# Altium PCB touch-tara-h-3 (final).PcbDoc (part 1 of 8) (continued)
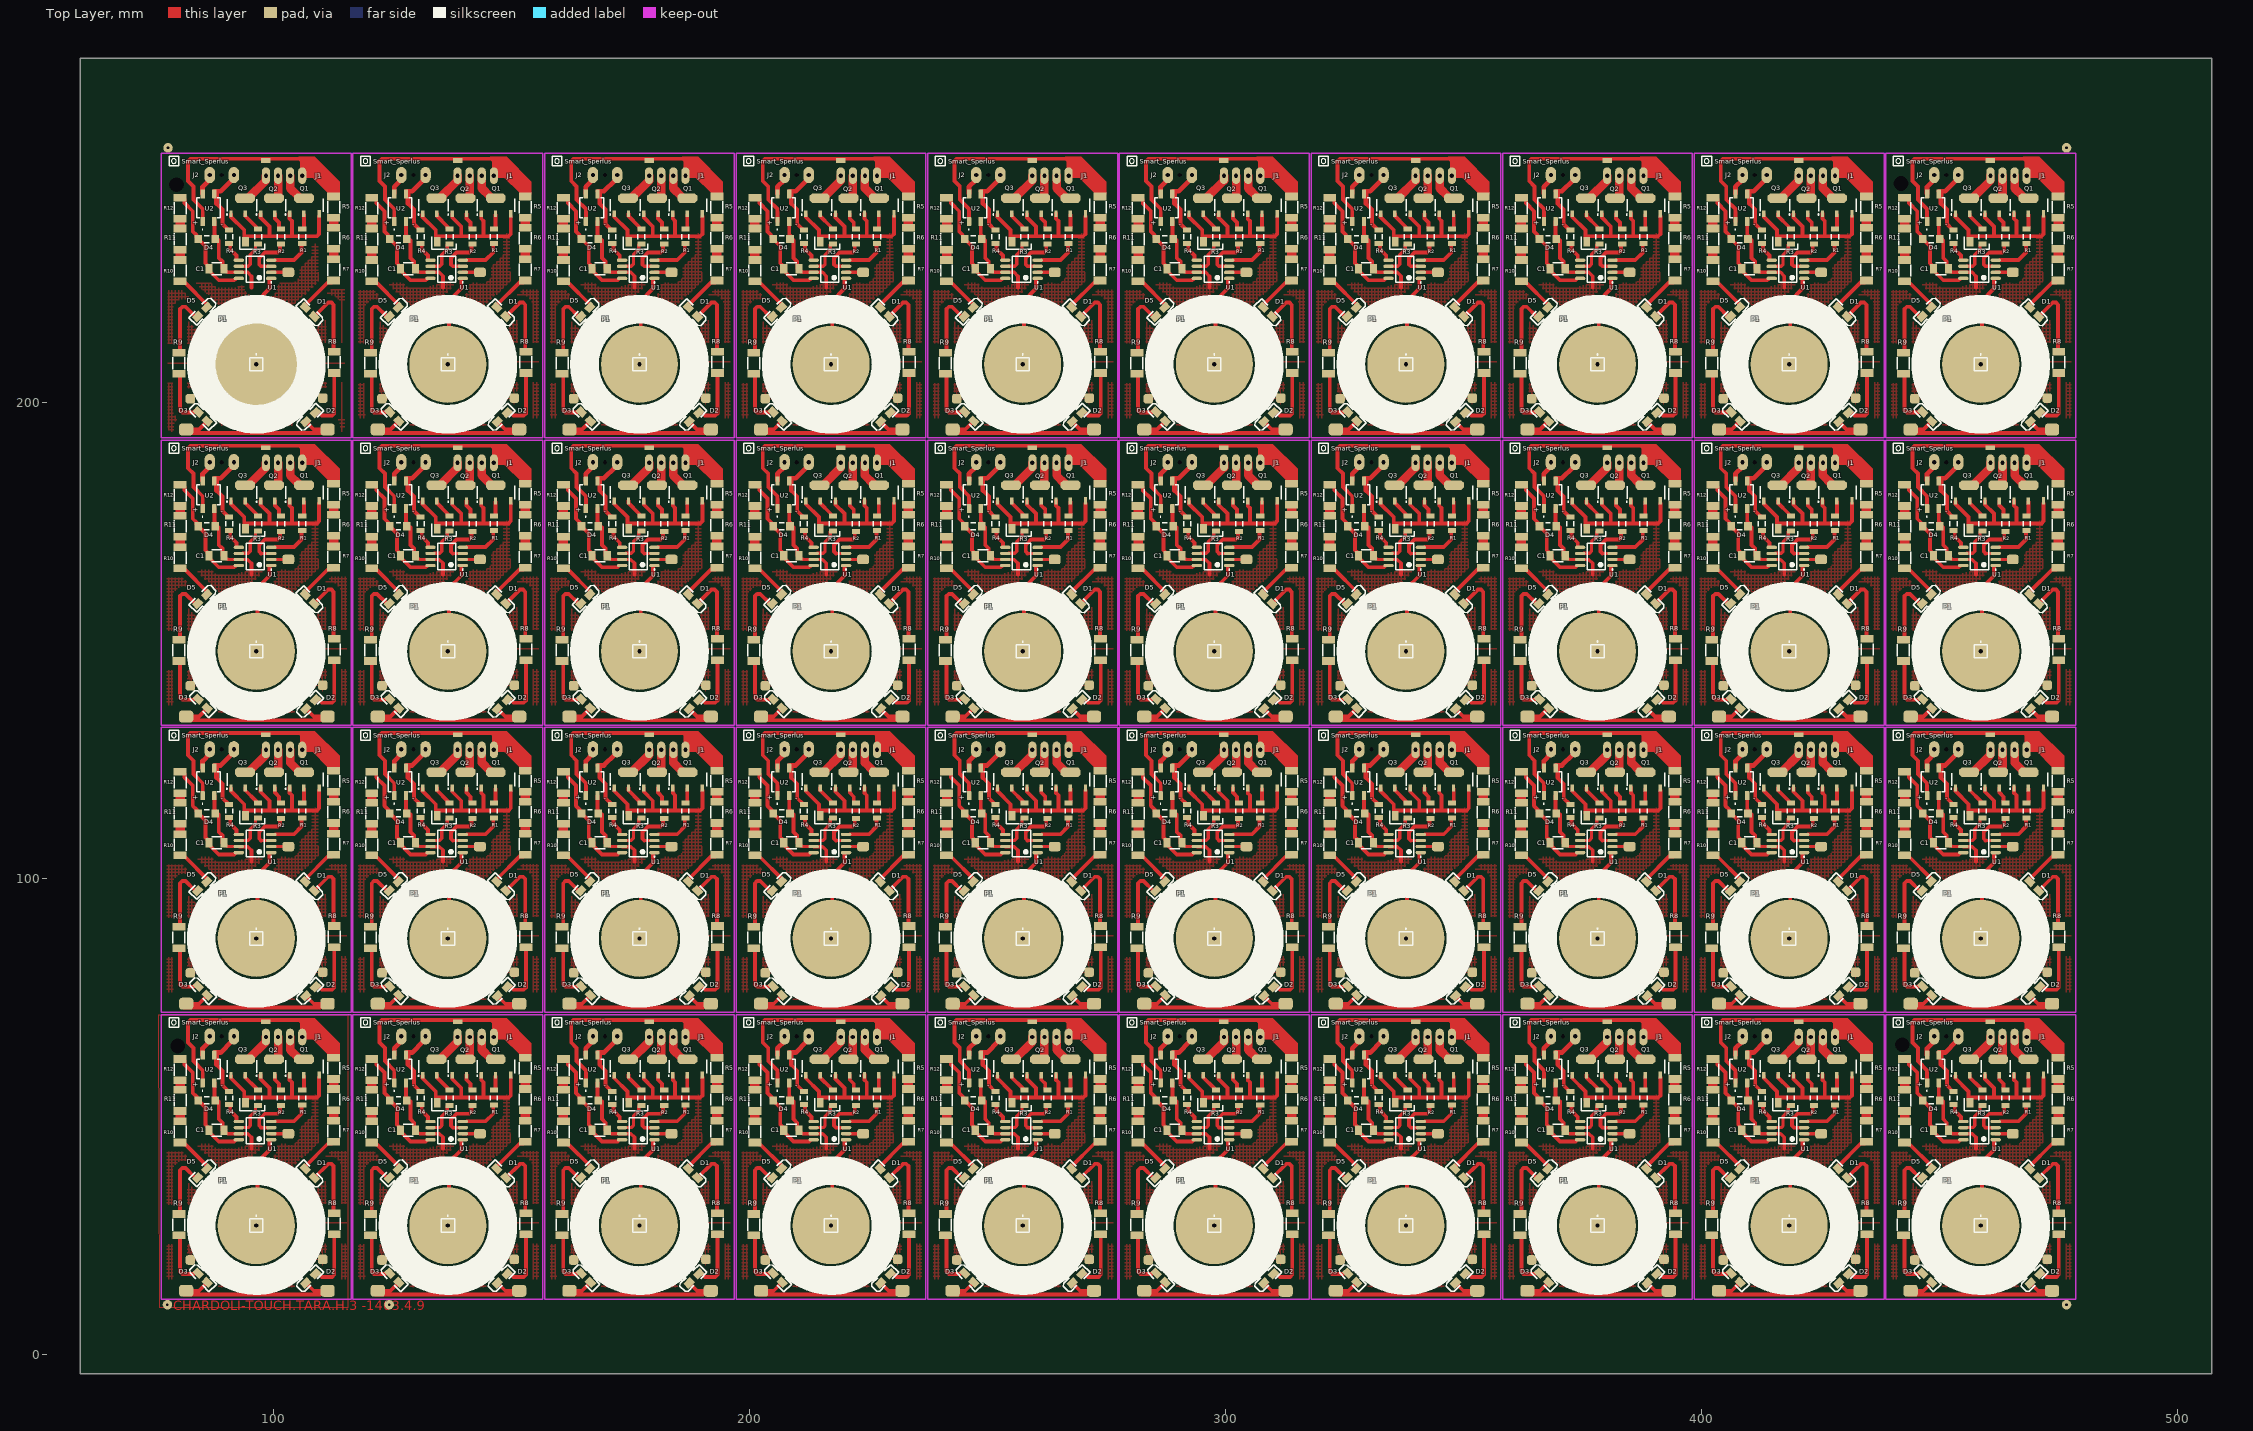
[diagram p0: Top Layer view]
## Components (designator, comment, footprint, x,y, rotation, side; value= is the part's Value field where it differs from the comment) (continued)
P1 "Plug" PIN1#1 378.206,27.051 r0 top
P1 "Plug" PIN1#1 418.465,27.051 r0 top
P1 "Plug" PIN1#1 458.724,27.051 r0 top
P1 "Plug" PIN1#1 96.393,87.376 r0 top
P1 "Plug" PIN1#1 136.652,87.376 r0 top
P1 "Plug" PIN1#1 176.911,87.376 r0 top
P1 "Plug" PIN1#1 217.17,87.376 r0 top
P1 "Plug" PIN1#1 257.429,87.376 r0 top
P1 "Plug" PIN1#1 297.688,87.376 r0 top
P1 "Plug" PIN1#1 337.947,87.376 r0 top
P1 "Plug" PIN1#1 378.206,87.376 r0 top
P1 "Plug" PIN1#1 418.465,87.376 r0 top
P1 "Plug" PIN1#1 458.724,87.376 r0 top
P1 "Plug" PIN1#1 458.724,147.701 r0 top
P1 "Plug" PIN1#1 418.465,147.701 r0 top
P1 "Plug" PIN1#1 378.206,147.701 r0 top
P1 "Plug" PIN1#1 337.947,147.701 r0 top
P1 "Plug" PIN1#1 297.688,147.701 r0 top
P1 "Plug" PIN1#1 257.429,147.701 r0 top
P1 "Plug" PIN1#1 217.17,147.701 r0 top
P1 "Plug" PIN1#1 176.911,147.701 r0 top
P1 "Plug" PIN1#1 136.652,147.701 r0 top
P1 "Plug" PIN1#1 96.393,147.701 r0 top
P1 "Plug" PIN1#1 458.724,208.026 r0 top
P1 "Plug" PIN1#1 418.465,208.026 r0 top
P1 "Plug" PIN1#1 378.206,208.026 r0 top
P1 "Plug" PIN1#1 337.947,208.026 r0 top
P1 "Plug" PIN1#1 297.688,208.026 r0 top
P1 "Plug" PIN1#1 257.429,208.026 r0 top
P1 "Plug" PIN1#1 217.17,208.026 r0 top
P1 "Plug" PIN1#1 176.911,208.026 r0 top
P1 "Plug" PIN1#1 136.652,208.026 r0 top
P1 "Plug" PIN1#2 96.393,208.026 r0 top
Q1 "Triac" SOT89N#1 104.902,60.452 r90 top
Q1 "Triac" SOT89N#1 145.161,60.452 r90 top
Q1 "Triac" SOT89N#1 185.42,60.452 r90 top
Q1 "Triac" SOT89N#1 225.679,60.452 r90 top
Q1 "Triac" SOT89N#1 265.938,60.452 r90 top
Q1 "Triac" SOT89N#1 306.197,60.452 r90 top
Q1 "Triac" SOT89N#1 346.456,60.452 r90 top
Q1 "Triac" SOT89N#1 386.715,60.452 r90 top
Q1 "Triac" SOT89N#1 426.974,60.452 r90 top
Q1 "Triac" SOT89N#1 467.233,60.452 r90 top
Q1 "Triac" SOT89N#1 104.902,120.777 r90 top
Q1 "Triac" SOT89N#1 145.161,120.777 r90 top
Q1 "Triac" SOT89N#1 185.42,120.777 r90 top
Q1 "Triac" SOT89N#1 225.679,120.777 r90 top
Q1 "Triac" SOT89N#1 265.938,120.777 r90 top
Q1 "Triac" SOT89N#1 306.197,120.777 r90 top
Q1 "Triac" SOT89N#1 346.456,120.777 r90 top
Q1 "Triac" SOT89N#1 386.715,120.777 r90 top
Q1 "Triac" SOT89N#1 426.974,120.777 r90 top
Q1 "Triac" SOT89N#1 467.233,120.777 r90 top
Q1 "Triac" SOT89N#1 467.233,181.102 r90 top
Q1 "Triac" SOT89N#1 426.974,181.102 r90 top
Q1 "Triac" SOT89N#1 386.715,181.102 r90 top
Q1 "Triac" SOT89N#1 346.456,181.102 r90 top
Q1 "Triac" SOT89N#1 306.197,181.102 r90 top
Q1 "Triac" SOT89N#1 265.938,181.102 r90 top
Q1 "Triac" SOT89N#1 225.679,181.102 r90 top
Q1 "Triac" SOT89N#1 185.42,181.102 r90 top
Q1 "Triac" SOT89N#1 145.161,181.102 r90 top
Q1 "Triac" SOT89N#1 104.902,181.102 r90 top
Q1 "Triac" SOT89N#1 467.233,241.427 r90 top
Q1 "Triac" SOT89N#1 426.974,241.427 r90 top
Q1 "Triac" SOT89N#1 386.715,241.427 r90 top
Q1 "Triac" SOT89N#1 346.456,241.427 r90 top
Q1 "Triac" SOT89N#1 306.197,241.427 r90 top
Q1 "Triac" SOT89N#1 265.938,241.427 r90 top
Q1 "Triac" SOT89N#1 225.679,241.427 r90 top
Q1 "Triac" SOT89N#1 185.42,241.427 r90 top
Q1 "Triac" SOT89N#1 145.161,241.427 r90 top
Q1 "Triac" SOT89N#1 104.902,241.427 r90 top
Q2 "Triac" SOT89N#2 98.806,60.452 r90 top
Q2 "Triac" SOT89N#2 139.065,60.452 r90 top
Q2 "Triac" SOT89N#2 179.324,60.452 r90 top
Q2 "Triac" SOT89N#2 219.583,60.452 r90 top
Q2 "Triac" SOT89N#2 259.842,60.452 r90 top
Q2 "Triac" SOT89N#2 300.101,60.452 r90 top
Q2 "Triac" SOT89N#2 340.36,60.452 r90 top
Q2 "Triac" SOT89N#2 380.619,60.452 r90 top
Q2 "Triac" SOT89N#2 420.878,60.452 r90 top
Q2 "Triac" SOT89N#2 461.137,60.452 r90 top
Q2 "Triac" SOT89N#2 98.806,120.777 r90 top
Q2 "Triac" SOT89N#2 139.065,120.777 r90 top
Q2 "Triac" SOT89N#2 179.324,120.777 r90 top
Q2 "Triac" SOT89N#2 219.583,120.777 r90 top
Q2 "Triac" SOT89N#2 259.842,120.777 r90 top
Q2 "Triac" SOT89N#2 300.101,120.777 r90 top
Q2 "Triac" SOT89N#2 340.36,120.777 r90 top
Q2 "Triac" SOT89N#2 380.619,120.777 r90 top
Q2 "Triac" SOT89N#2 420.878,120.777 r90 top
Q2 "Triac" SOT89N#2 461.137,120.777 r90 top
Q2 "Triac" SOT89N#2 461.137,181.102 r90 top
Q2 "Triac" SOT89N#2 420.878,181.102 r90 top
Q2 "Triac" SOT89N#2 380.619,181.102 r90 top
Q2 "Triac" SOT89N#2 340.36,181.102 r90 top
Q2 "Triac" SOT89N#2 300.101,181.102 r90 top
Q2 "Triac" SOT89N#2 259.842,181.102 r90 top
Q2 "Triac" SOT89N#2 219.583,181.102 r90 top
Q2 "Triac" SOT89N#2 179.324,181.102 r90 top
Q2 "Triac" SOT89N#2 139.065,181.102 r90 top
Q2 "Triac" SOT89N#2 98.806,181.102 r90 top
Q2 "Triac" SOT89N#2 461.137,241.427 r90 top
Q2 "Triac" SOT89N#2 420.878,241.427 r90 top
Q2 "Triac" SOT89N#2 380.619,241.427 r90 top
Q2 "Triac" SOT89N#2 340.36,241.427 r90 top
Q2 "Triac" SOT89N#2 300.101,241.427 r90 top
Q2 "Triac" SOT89N#2 259.842,241.427 r90 top
Q2 "Triac" SOT89N#2 219.583,241.427 r90 top
Q2 "Triac" SOT89N#2 179.324,241.427 r90 top
Q2 "Triac" SOT89N#2 139.065,241.427 r90 top
Q2 "Triac" SOT89N#2 98.806,241.427 r90 top
Q3 "Triac" SOT89N#3 92.583,60.452 r90 top
Q3 "Triac" SOT89N#3 132.842,60.452 r90 top
Q3 "Triac" SOT89N#3 173.101,60.452 r90 top
Q3 "Triac" SOT89N#3 213.36,60.452 r90 top
Q3 "Triac" SOT89N#3 253.619,60.452 r90 top
Q3 "Triac" SOT89N#3 293.878,60.452 r90 top
Q3 "Triac" SOT89N#3 334.137,60.452 r90 top
Q3 "Triac" SOT89N#3 374.396,60.452 r90 top
Q3 "Triac" SOT89N#3 414.655,60.452 r90 top
Q3 "Triac" SOT89N#3 454.914,60.452 r90 top
Q3 "Triac" SOT89N#3 92.583,120.777 r90 top
Q3 "Triac" SOT89N#3 132.842,120.777 r90 top
Q3 "Triac" SOT89N#3 173.101,120.777 r90 top
Q3 "Triac" SOT89N#3 213.36,120.777 r90 top
Q3 "Triac" SOT89N#3 253.619,120.777 r90 top
Q3 "Triac" SOT89N#3 293.878,120.777 r90 top
Q3 "Triac" SOT89N#3 334.137,120.777 r90 top
Q3 "Triac" SOT89N#3 374.396,120.777 r90 top
Q3 "Triac" SOT89N#3 414.655,120.777 r90 top
Q3 "Triac" SOT89N#3 454.914,120.777 r90 top
Q3 "Triac" SOT89N#3 454.914,181.102 r90 top
Q3 "Triac" SOT89N#3 414.655,181.102 r90 top
Q3 "Triac" SOT89N#3 374.396,181.102 r90 top
Q3 "Triac" SOT89N#3 334.137,181.102 r90 top
Q3 "Triac" SOT89N#3 293.878,181.102 r90 top
Q3 "Triac" SOT89N#3 253.619,181.102 r90 top
Q3 "Triac" SOT89N#3 213.36,181.102 r90 top
Q3 "Triac" SOT89N#3 173.101,181.102 r90 top
Q3 "Triac" SOT89N#3 132.842,181.102 r90 top
Q3 "Triac" SOT89N#3 92.583,181.102 r90 top
Q3 "Triac" SOT89N#3 454.914,241.427 r90 top
Q3 "Triac" SOT89N#3 414.655,241.427 r90 top
Q3 "Triac" SOT89N#3 374.396,241.427 r90 top
Q3 "Triac" SOT89N#3 334.137,241.427 r90 top
Q3 "Triac" SOT89N#3 293.878,241.427 r90 top
Q3 "Triac" SOT89N#3 253.619,241.427 r90 top
Q3 "Triac" SOT89N#3 213.36,241.427 r90 top
Q3 "Triac" SOT89N#3 173.101,241.427 r90 top
Q3 "Triac" SOT89N#3 132.842,241.427 r90 top
Q3 "Triac" SOT89N#3 92.583,241.427 r90 top
R1 "10K" "RES 1206 (3216X08L)"#1 106.045,53.848 r90 top (schematic designator R2)
R1 "10K" "RES 1206 (3216X08L)"#1 146.304,53.848 r90 top (schematic designator R2)
R1 "10K" "RES 1206 (3216X08L)"#1 186.563,53.848 r90 top (schematic designator R2)
R1 "10K" "RES 1206 (3216X08L)"#1 226.822,53.848 r90 top (schematic designator R2)
R1 "10K" "RES 1206 (3216X08L)"#1 267.081,53.848 r90 top (schematic designator R2)
R1 "10K" "RES 1206 (3216X08L)"#1 307.34,53.848 r90 top (schematic designator R2)
R1 "10K" "RES 1206 (3216X08L)"#1 347.599,53.848 r90 top (schematic designator R2)
R1 "10K" "RES 1206 (3216X08L)"#1 387.858,53.848 r90 top (schematic designator R2)
R1 "10K" "RES 1206 (3216X08L)"#1 428.117,53.848 r90 top (schematic designator R2)
R1 "10K" "RES 1206 (3216X08L)"#1 468.376,53.848 r90 top (schematic designator R2)
R1 "10K" "RES 1206 (3216X08L)"#1 106.045,114.173 r90 top (schematic designator R2)
R1 "10K" "RES 1206 (3216X08L)"#1 146.304,114.173 r90 top (schematic designator R2)
R1 "10K" "RES 1206 (3216X08L)"#1 186.563,114.173 r90 top (schematic designator R2)
R1 "10K" "RES 1206 (3216X08L)"#1 226.822,114.173 r90 top (schematic designator R2)
R1 "10K" "RES 1206 (3216X08L)"#1 267.081,114.173 r90 top (schematic designator R2)
R1 "10K" "RES 1206 (3216X08L)"#1 307.34,114.173 r90 top (schematic designator R2)
R1 "10K" "RES 1206 (3216X08L)"#1 347.599,114.173 r90 top (schematic designator R2)
R1 "10K" "RES 1206 (3216X08L)"#1 387.858,114.173 r90 top (schematic designator R2)
R1 "10K" "RES 1206 (3216X08L)"#1 428.117,114.173 r90 top (schematic designator R2)
R1 "10K" "RES 1206 (3216X08L)"#1 468.376,114.173 r90 top (schematic designator R2)
R1 "10K" "RES 1206 (3216X08L)"#1 468.376,174.498 r90 top (schematic designator R2)
R1 "10K" "RES 1206 (3216X08L)"#1 428.117,174.498 r90 top (schematic designator R2)
R1 "10K" "RES 1206 (3216X08L)"#1 387.858,174.498 r90 top (schematic designator R2)
R1 "10K" "RES 1206 (3216X08L)"#1 347.599,174.498 r90 top (schematic designator R2)
R1 "10K" "RES 1206 (3216X08L)"#1 307.34,174.498 r90 top (schematic designator R2)
R1 "10K" "RES 1206 (3216X08L)"#1 267.081,174.498 r90 top (schematic designator R2)
R1 "10K" "RES 1206 (3216X08L)"#1 226.822,174.498 r90 top (schematic designator R2)
R1 "10K" "RES 1206 (3216X08L)"#1 186.563,174.498 r90 top (schematic designator R2)
R1 "10K" "RES 1206 (3216X08L)"#1 146.304,174.498 r90 top (schematic designator R2)
R1 "10K" "RES 1206 (3216X08L)"#1 106.045,174.498 r90 top (schematic designator R2)
R1 "10K" "RES 1206 (3216X08L)"#1 468.376,234.823 r90 top (schematic designator R2)
R1 "10K" "RES 1206 (3216X08L)"#1 428.117,234.823 r90 top (schematic designator R2)
R1 "10K" "RES 1206 (3216X08L)"#1 387.858,234.823 r90 top (schematic designator R2)
R1 "10K" "RES 1206 (3216X08L)"#1 347.599,234.823 r90 top (schematic designator R2)
R1 "10K" "RES 1206 (3216X08L)"#1 307.34,234.823 r90 top (schematic designator R2)
R1 "10K" "RES 1206 (3216X08L)"#1 267.081,234.823 r90 top (schematic designator R2)
R1 "10K" "RES 1206 (3216X08L)"#1 226.822,234.823 r90 top (schematic designator R2)
R1 "10K" "RES 1206 (3216X08L)"#1 186.563,234.823 r90 top (schematic designator R2)
R1 "10K" "RES 1206 (3216X08L)"#1 146.304,234.823 r90 top (schematic designator R2)
R1 "10K" "RES 1206 (3216X08L)"#1 106.045,234.823 r90 top (schematic designator R2)
R2 "10K" "RES 1206 (3216X08L)"#2 101.6,53.848 r90 top (schematic designator R3)
R2 "10K" "RES 1206 (3216X08L)"#2 141.859,53.848 r90 top (schematic designator R3)
R2 "10K" "RES 1206 (3216X08L)"#2 182.118,53.848 r90 top (schematic designator R3)
R2 "10K" "RES 1206 (3216X08L)"#2 222.377,53.848 r90 top (schematic designator R3)
R2 "10K" "RES 1206 (3216X08L)"#2 262.636,53.848 r90 top (schematic designator R3)
R2 "10K" "RES 1206 (3216X08L)"#2 302.895,53.848 r90 top (schematic designator R3)
R2 "10K" "RES 1206 (3216X08L)"#2 343.154,53.848 r90 top (schematic designator R3)
R2 "10K" "RES 1206 (3216X08L)"#2 383.413,53.848 r90 top (schematic designator R3)
R2 "10K" "RES 1206 (3216X08L)"#2 423.672,53.848 r90 top (schematic designator R3)
R2 "10K" "RES 1206 (3216X08L)"#2 463.931,53.848 r90 top (schematic designator R3)
R2 "10K" "RES 1206 (3216X08L)"#2 101.6,114.173 r90 top (schematic designator R3)
R2 "10K" "RES 1206 (3216X08L)"#2 141.859,114.173 r90 top (schematic designator R3)
R2 "10K" "RES 1206 (3216X08L)"#2 182.118,114.173 r90 top (schematic designator R3)
R2 "10K" "RES 1206 (3216X08L)"#2 222.377,114.173 r90 top (schematic designator R3)
R2 "10K" "RES 1206 (3216X08L)"#2 262.636,114.173 r90 top (schematic designator R3)
R2 "10K" "RES 1206 (3216X08L)"#2 302.895,114.173 r90 top (schematic designator R3)
R2 "10K" "RES 1206 (3216X08L)"#2 343.154,114.173 r90 top (schematic designator R3)
R2 "10K" "RES 1206 (3216X08L)"#2 383.413,114.173 r90 top (schematic designator R3)
R2 "10K" "RES 1206 (3216X08L)"#2 423.672,114.173 r90 top (schematic designator R3)
R2 "10K" "RES 1206 (3216X08L)"#2 463.931,114.173 r90 top (schematic designator R3)
R2 "10K" "RES 1206 (3216X08L)"#2 463.931,174.498 r90 top (schematic designator R3)
R2 "10K" "RES 1206 (3216X08L)"#2 423.672,174.498 r90 top (schematic designator R3)
R2 "10K" "RES 1206 (3216X08L)"#2 383.413,174.498 r90 top (schematic designator R3)
R2 "10K" "RES 1206 (3216X08L)"#2 343.154,174.498 r90 top (schematic designator R3)
R2 "10K" "RES 1206 (3216X08L)"#2 302.895,174.498 r90 top (schematic designator R3)
R2 "10K" "RES 1206 (3216X08L)"#2 262.636,174.498 r90 top (schematic designator R3)
R2 "10K" "RES 1206 (3216X08L)"#2 222.377,174.498 r90 top (schematic designator R3)
R2 "10K" "RES 1206 (3216X08L)"#2 182.118,174.498 r90 top (schematic designator R3)
R2 "10K" "RES 1206 (3216X08L)"#2 141.859,174.498 r90 top (schematic designator R3)
R2 "10K" "RES 1206 (3216X08L)"#2 101.6,174.498 r90 top (schematic designator R3)
R2 "10K" "RES 1206 (3216X08L)"#2 463.931,234.823 r90 top (schematic designator R3)
R2 "10K" "RES 1206 (3216X08L)"#2 423.672,234.823 r90 top (schematic designator R3)
R2 "10K" "RES 1206 (3216X08L)"#2 383.413,234.823 r90 top (schematic designator R3)
R2 "10K" "RES 1206 (3216X08L)"#2 343.154,234.823 r90 top (schematic designator R3)
R2 "10K" "RES 1206 (3216X08L)"#2 302.895,234.823 r90 top (schematic designator R3)
R2 "10K" "RES 1206 (3216X08L)"#2 262.636,234.823 r90 top (schematic designator R3)
R2 "10K" "RES 1206 (3216X08L)"#2 222.377,234.823 r90 top (schematic designator R3)
R2 "10K" "RES 1206 (3216X08L)"#2 182.118,234.823 r90 top (schematic designator R3)
R2 "10K" "RES 1206 (3216X08L)"#2 141.859,234.823 r90 top (schematic designator R3)
R2 "10K" "RES 1206 (3216X08L)"#2 101.6,234.823 r90 top (schematic designator R3)
R3 "10K" "RES 1206 (3216X08L)"#3 96.774,53.848 r90 top (schematic designator R10)
R3 "10K" "RES 1206 (3216X08L)"#3 137.033,53.848 r90 top (schematic designator R10)
R3 "10K" "RES 1206 (3216X08L)"#3 177.292,53.848 r90 top (schematic designator R10)
R3 "10K" "RES 1206 (3216X08L)"#3 217.551,53.848 r90 top (schematic designator R10)
R3 "10K" "RES 1206 (3216X08L)"#3 257.81,53.848 r90 top (schematic designator R10)
R3 "10K" "RES 1206 (3216X08L)"#3 298.069,53.848 r90 top (schematic designator R10)
R3 "10K" "RES 1206 (3216X08L)"#3 338.328,53.848 r90 top (schematic designator R10)
R3 "10K" "RES 1206 (3216X08L)"#3 378.587,53.848 r90 top (schematic designator R10)
R3 "10K" "RES 1206 (3216X08L)"#3 418.846,53.848 r90 top (schematic designator R10)
R3 "10K" "RES 1206 (3216X08L)"#3 459.105,53.848 r90 top (schematic designator R10)
R3 "10K" "RES 1206 (3216X08L)"#3 96.774,114.173 r90 top (schematic designator R10)
R3 "10K" "RES 1206 (3216X08L)"#3 137.033,114.173 r90 top (schematic designator R10)
R3 "10K" "RES 1206 (3216X08L)"#3 177.292,114.173 r90 top (schematic designator R10)
R3 "10K" "RES 1206 (3216X08L)"#3 217.551,114.173 r90 top (schematic designator R10)
R3 "10K" "RES 1206 (3216X08L)"#3 257.81,114.173 r90 top (schematic designator R10)
R3 "10K" "RES 1206 (3216X08L)"#3 298.069,114.173 r90 top (schematic designator R10)
R3 "10K" "RES 1206 (3216X08L)"#3 338.328,114.173 r90 top (schematic designator R10)
R3 "10K" "RES 1206 (3216X08L)"#3 378.587,114.173 r90 top (schematic designator R10)
R3 "10K" "RES 1206 (3216X08L)"#3 418.846,114.173 r90 top (schematic designator R10)
R3 "10K" "RES 1206 (3216X08L)"#3 459.105,114.173 r90 top (schematic designator R10)
R3 "10K" "RES 1206 (3216X08L)"#3 459.105,174.498 r90 top (schematic designator R10)
R3 "10K" "RES 1206 (3216X08L)"#3 418.846,174.498 r90 top (schematic designator R10)
R3 "10K" "RES 1206 (3216X08L)"#3 378.587,174.498 r90 top (schematic designator R10)
R3 "10K" "RES 1206 (3216X08L)"#3 338.328,174.498 r90 top (schematic designator R10)
R3 "10K" "RES 1206 (3216X08L)"#3 298.069,174.498 r90 top (schematic designator R10)
R3 "10K" "RES 1206 (3216X08L)"#3 257.81,174.498 r90 top (schematic designator R10)
R3 "10K" "RES 1206 (3216X08L)"#3 217.551,174.498 r90 top (schematic designator R10)
R3 "10K" "RES 1206 (3216X08L)"#3 177.292,174.498 r90 top (schematic designator R10)
R3 "10K" "RES 1206 (3216X08L)"#3 137.033,174.498 r90 top (schematic designator R10)
R3 "10K" "RES 1206 (3216X08L)"#3 96.774,174.498 r90 top (schematic designator R10)
R3 "10K" "RES 1206 (3216X08L)"#3 459.105,234.823 r90 top (schematic designator R10)
R3 "10K" "RES 1206 (3216X08L)"#3 418.846,234.823 r90 top (schematic designator R10)
R3 "10K" "RES 1206 (3216X08L)"#3 378.587,234.823 r90 top (schematic designator R10)
R3 "10K" "RES 1206 (3216X08L)"#3 338.328,234.823 r90 top (schematic designator R10)
R3 "10K" "RES 1206 (3216X08L)"#3 298.069,234.823 r90 top (schematic designator R10)
R3 "10K" "RES 1206 (3216X08L)"#3 257.81,234.823 r90 top (schematic designator R10)
R3 "10K" "RES 1206 (3216X08L)"#3 217.551,234.823 r90 top (schematic designator R10)
R3 "10K" "RES 1206 (3216X08L)"#3 177.292,234.823 r90 top (schematic designator R10)
R3 "10K" "RES 1206 (3216X08L)"#3 137.033,234.823 r90 top (schematic designator R10)
R3 "10K" "RES 1206 (3216X08L)"#3 96.774,234.823 r90 top (schematic designator R10)
R4 "10K" "RES 1206 (3216X08L)"#4 90.678,53.848 r270 top (schematic designator R13)
R4 "10K" "RES 1206 (3216X08L)"#4 130.937,53.848 r270 top (schematic designator R13)
R4 "10K" "RES 1206 (3216X08L)"#4 171.196,53.848 r270 top (schematic designator R13)
R4 "10K" "RES 1206 (3216X08L)"#4 211.455,53.848 r270 top (schematic designator R13)
R4 "10K" "RES 1206 (3216X08L)"#4 251.714,53.848 r270 top (schematic designator R13)
R4 "10K" "RES 1206 (3216X08L)"#4 291.973,53.848 r270 top (schematic designator R13)
R4 "10K" "RES 1206 (3216X08L)"#4 332.232,53.848 r270 top (schematic designator R13)
R4 "10K" "RES 1206 (3216X08L)"#4 372.491,53.848 r270 top (schematic designator R13)
R4 "10K" "RES 1206 (3216X08L)"#4 412.75,53.848 r270 top (schematic designator R13)
R4 "10K" "RES 1206 (3216X08L)"#4 453.009,53.848 r270 top (schematic designator R13)
R4 "10K" "RES 1206 (3216X08L)"#4 90.678,114.173 r270 top (schematic designator R13)
R4 "10K" "RES 1206 (3216X08L)"#4 130.937,114.173 r270 top (schematic designator R13)
R4 "10K" "RES 1206 (3216X08L)"#4 171.196,114.173 r270 top (schematic designator R13)
R4 "10K" "RES 1206 (3216X08L)"#4 211.455,114.173 r270 top (schematic designator R13)
R4 "10K" "RES 1206 (3216X08L)"#4 251.714,114.173 r270 top (schematic designator R13)
R4 "10K" "RES 1206 (3216X08L)"#4 291.973,114.173 r270 top (schematic designator R13)
R4 "10K" "RES 1206 (3216X08L)"#4 332.232,114.173 r270 top (schematic designator R13)
R4 "10K" "RES 1206 (3216X08L)"#4 372.491,114.173 r270 top (schematic designator R13)
R4 "10K" "RES 1206 (3216X08L)"#4 412.75,114.173 r270 top (schematic designator R13)
R4 "10K" "RES 1206 (3216X08L)"#4 453.009,114.173 r270 top (schematic designator R13)
R4 "10K" "RES 1206 (3216X08L)"#4 453.009,174.498 r270 top (schematic designator R13)
R4 "10K" "RES 1206 (3216X08L)"#4 412.75,174.498 r270 top (schematic designator R13)
R4 "10K" "RES 1206 (3216X08L)"#4 372.491,174.498 r270 top (schematic designator R13)
R4 "10K" "RES 1206 (3216X08L)"#4 332.232,174.498 r270 top (schematic designator R13)
R4 "10K" "RES 1206 (3216X08L)"#4 291.973,174.498 r270 top (schematic designator R13)
R4 "10K" "RES 1206 (3216X08L)"#4 251.714,174.498 r270 top (schematic designator R13)
R4 "10K" "RES 1206 (3216X08L)"#4 211.455,174.498 r270 top (schematic designator R13)
R4 "10K" "RES 1206 (3216X08L)"#4 171.196,174.498 r270 top (schematic designator R13)
R4 "10K" "RES 1206 (3216X08L)"#4 130.937,174.498 r270 top (schematic designator R13)
R4 "10K" "RES 1206 (3216X08L)"#4 90.678,174.498 r270 top (schematic designator R13)
R4 "10K" "RES 1206 (3216X08L)"#4 453.009,234.823 r270 top (schematic designator R13)
R4 "10K" "RES 1206 (3216X08L)"#4 412.75,234.823 r270 top (schematic designator R13)
R4 "10K" "RES 1206 (3216X08L)"#4 372.491,234.823 r270 top (schematic designator R13)
R4 "10K" "RES 1206 (3216X08L)"#4 332.232,234.823 r270 top (schematic designator R13)
R4 "10K" "RES 1206 (3216X08L)"#4 291.973,234.823 r270 top (schematic designator R13)
R4 "10K" "RES 1206 (3216X08L)"#4 251.714,234.823 r270 top (schematic designator R13)
R4 "10K" "RES 1206 (3216X08L)"#4 211.455,234.823 r270 top (schematic designator R13)
R4 "10K" "RES 1206 (3216X08L)"#4 171.196,234.823 r270 top (schematic designator R13)
R4 "10K" "RES 1206 (3216X08L)"#4 130.937,234.823 r270 top (schematic designator R13)
R4 "10K" "RES 1206 (3216X08L)"#4 90.678,234.823 r270 top (schematic designator R13)
R5 "10K" "RES 2010 (5026X08L)" 112.649,60.071 r270 top (schematic designator R4)
R5 "10K" "RES 2010 (5026X08L)" 152.908,60.071 r270 top (schematic designator R4)
R5 "10K" "RES 2010 (5026X08L)" 193.167,60.071 r270 top (schematic designator R4)
R5 "10K" "RES 2010 (5026X08L)" 233.426,60.071 r270 top (schematic designator R4)
R5 "10K" "RES 2010 (5026X08L)" 273.685,60.071 r270 top (schematic designator R4)
R5 "10K" "RES 2010 (5026X08L)" 313.944,60.071 r270 top (schematic designator R4)
R5 "10K" "RES 2010 (5026X08L)" 354.203,60.071 r270 top (schematic designator R4)
R5 "10K" "RES 2010 (5026X08L)" 394.462,60.071 r270 top (schematic designator R4)
R5 "10K" "RES 2010 (5026X08L)" 434.721,60.071 r270 top (schematic designator R4)
R5 "10K" "RES 2010 (5026X08L)" 474.98,60.071 r270 top (schematic designator R4)
R5 "10K" "RES 2010 (5026X08L)" 112.649,120.396 r270 top (schematic designator R4)
R5 "10K" "RES 2010 (5026X08L)" 152.908,120.396 r270 top (schematic designator R4)
R5 "10K" "RES 2010 (5026X08L)" 193.167,120.396 r270 top (schematic designator R4)
R5 "10K" "RES 2010 (5026X08L)" 233.426,120.396 r270 top (schematic designator R4)
R5 "10K" "RES 2010 (5026X08L)" 273.685,120.396 r270 top (schematic designator R4)
R5 "10K" "RES 2010 (5026X08L)" 313.944,120.396 r270 top (schematic designator R4)
R5 "10K" "RES 2010 (5026X08L)" 354.203,120.396 r270 top (schematic designator R4)
R5 "10K" "RES 2010 (5026X08L)" 394.462,120.396 r270 top (schematic designator R4)
R5 "10K" "RES 2010 (5026X08L)" 434.721,120.396 r270 top (schematic designator R4)
R5 "10K" "RES 2010 (5026X08L)" 474.98,120.396 r270 top (schematic designator R4)
R5 "10K" "RES 2010 (5026X08L)" 474.98,180.721 r270 top (schematic designator R4)
R5 "10K" "RES 2010 (5026X08L)" 434.721,180.721 r270 top (schematic designator R4)
R5 "10K" "RES 2010 (5026X08L)" 394.462,180.721 r270 top (schematic designator R4)
R5 "10K" "RES 2010 (5026X08L)" 354.203,180.721 r270 top (schematic designator R4)
R5 "10K" "RES 2010 (5026X08L)" 313.944,180.721 r270 top (schematic designator R4)
R5 "10K" "RES 2010 (5026X08L)" 273.685,180.721 r270 top (schematic designator R4)
R5 "10K" "RES 2010 (5026X08L)" 233.426,180.721 r270 top (schematic designator R4)
R5 "10K" "RES 2010 (5026X08L)" 193.167,180.721 r270 top (schematic designator R4)
R5 "10K" "RES 2010 (5026X08L)" 152.908,180.721 r270 top (schematic designator R4)
R5 "10K" "RES 2010 (5026X08L)" 112.649,180.721 r270 top (schematic designator R4)
R5 "10K" "RES 2010 (5026X08L)" 474.98,241.046 r270 top (schematic designator R4)
R5 "10K" "RES 2010 (5026X08L)" 434.721,241.046 r270 top (schematic designator R4)
R5 "10K" "RES 2010 (5026X08L)" 394.462,241.046 r270 top (schematic designator R4)
R5 "10K" "RES 2010 (5026X08L)" 354.203,241.046 r270 top (schematic designator R4)
R5 "10K" "RES 2010 (5026X08L)" 313.944,241.046 r270 top (schematic designator R4)
R5 "10K" "RES 2010 (5026X08L)" 273.685,241.046 r270 top (schematic designator R4)
R5 "10K" "RES 2010 (5026X08L)" 233.426,241.046 r270 top (schematic designator R4)
R5 "10K" "RES 2010 (5026X08L)" 193.167,241.046 r270 top (schematic designator R4)
R5 "10K" "RES 2010 (5026X08L)" 152.908,241.046 r270 top (schematic designator R4)
R5 "10K" "RES 2010 (5026X08L)" 112.649,241.046 r270 top (schematic designator R4)
R6 "10K" "RES 2010 (5026X08L)" 112.649,53.528 r270 top (schematic designator R5)
R6 "10K" "RES 2010 (5026X08L)" 152.908,53.528 r270 top (schematic designator R5)
R6 "10K" "RES 2010 (5026X08L)" 193.167,53.528 r270 top (schematic designator R5)
R6 "10K" "RES 2010 (5026X08L)" 233.426,53.528 r270 top (schematic designator R5)
R6 "10K" "RES 2010 (5026X08L)" 273.685,53.528 r270 top (schematic designator R5)
R6 "10K" "RES 2010 (5026X08L)" 313.944,53.528 r270 top (schematic designator R5)
R6 "10K" "RES 2010 (5026X08L)" 354.203,53.528 r270 top (schematic designator R5)
R6 "10K" "RES 2010 (5026X08L)" 394.462,53.528 r270 top (schematic designator R5)
R6 "10K" "RES 2010 (5026X08L)" 434.721,53.528 r270 top (schematic designator R5)
R6 "10K" "RES 2010 (5026X08L)" 474.98,53.528 r270 top (schematic designator R5)
R6 "10K" "RES 2010 (5026X08L)" 112.649,113.853 r270 top (schematic designator R5)
R6 "10K" "RES 2010 (5026X08L)" 152.908,113.853 r270 top (schematic designator R5)
R6 "10K" "RES 2010 (5026X08L)" 193.167,113.853 r270 top (schematic designator R5)
R6 "10K" "RES 2010 (5026X08L)" 233.426,113.853 r270 top (schematic designator R5)
R6 "10K" "RES 2010 (5026X08L)" 273.685,113.853 r270 top (schematic designator R5)
R6 "10K" "RES 2010 (5026X08L)" 313.944,113.853 r270 top (schematic designator R5)
R6 "10K" "RES 2010 (5026X08L)" 354.203,113.853 r270 top (schematic designator R5)
R6 "10K" "RES 2010 (5026X08L)" 394.462,113.853 r270 top (schematic designator R5)
R6 "10K" "RES 2010 (5026X08L)" 434.721,113.853 r270 top (schematic designator R5)
R6 "10K" "RES 2010 (5026X08L)" 474.98,113.853 r270 top (schematic designator R5)
R6 "10K" "RES 2010 (5026X08L)" 474.98,174.178 r270 top (schematic designator R5)
R6 "10K" "RES 2010 (5026X08L)" 434.721,174.178 r270 top (schematic designator R5)
R6 "10K" "RES 2010 (5026X08L)" 394.462,174.178 r270 top (schematic designator R5)
R6 "10K" "RES 2010 (5026X08L)" 354.203,174.178 r270 top (schematic designator R5)
R6 "10K" "RES 2010 (5026X08L)" 313.944,174.178 r270 top (schematic designator R5)
R6 "10K" "RES 2010 (5026X08L)" 273.685,174.178 r270 top (schematic designator R5)
R6 "10K" "RES 2010 (5026X08L)" 233.426,174.178 r270 top (schematic designator R5)
R6 "10K" "RES 2010 (5026X08L)" 193.167,174.178 r270 top (schematic designator R5)
R6 "10K" "RES 2010 (5026X08L)" 152.908,174.178 r270 top (schematic designator R5)
R6 "10K" "RES 2010 (5026X08L)" 112.649,174.178 r270 top (schematic designator R5)
R6 "10K" "RES 2010 (5026X08L)" 474.98,234.503 r270 top (schematic designator R5)
R6 "10K" "RES 2010 (5026X08L)" 434.721,234.503 r270 top (schematic designator R5)
R6 "10K" "RES 2010 (5026X08L)" 394.462,234.503 r270 top (schematic designator R5)
R6 "10K" "RES 2010 (5026X08L)" 354.203,234.503 r270 top (schematic designator R5)
R6 "10K" "RES 2010 (5026X08L)" 313.944,234.503 r270 top (schematic designator R5)
R6 "10K" "RES 2010 (5026X08L)" 273.685,234.503 r270 top (schematic designator R5)
R6 "10K" "RES 2010 (5026X08L)" 233.426,234.503 r270 top (schematic designator R5)
R6 "10K" "RES 2010 (5026X08L)" 193.167,234.503 r270 top (schematic designator R5)
R6 "10K" "RES 2010 (5026X08L)" 152.908,234.503 r270 top (schematic designator R5)
R6 "10K" "RES 2010 (5026X08L)" 112.649,234.503 r270 top (schematic designator R5)
R7 "10K" "RES 2010 (5026X08L)" 112.649,46.863 r270 top (schematic designator R6)
R7 "10K" "RES 2010 (5026X08L)" 152.908,46.863 r270 top (schematic designator R6)
R7 "10K" "RES 2010 (5026X08L)" 193.167,46.863 r270 top (schematic designator R6)
R7 "10K" "RES 2010 (5026X08L)" 233.426,46.863 r270 top (schematic designator R6)
R7 "10K" "RES 2010 (5026X08L)" 273.685,46.863 r270 top (schematic designator R6)
R7 "10K" "RES 2010 (5026X08L)" 313.944,46.863 r270 top (schematic designator R6)
R7 "10K" "RES 2010 (5026X08L)" 354.203,46.863 r270 top (schematic designator R6)
R7 "10K" "RES 2010 (5026X08L)" 394.462,46.863 r270 top (schematic designator R6)
R7 "10K" "RES 2010 (5026X08L)" 434.721,46.863 r270 top (schematic designator R6)
R7 "10K" "RES 2010 (5026X08L)" 474.98,46.863 r270 top (schematic designator R6)
R7 "10K" "RES 2010 (5026X08L)" 112.649,107.188 r270 top (schematic designator R6)
R7 "10K" "RES 2010 (5026X08L)" 152.908,107.188 r270 top (schematic designator R6)
R7 "10K" "RES 2010 (5026X08L)" 193.167,107.188 r270 top (schematic designator R6)
R7 "10K" "RES 2010 (5026X08L)" 233.426,107.188 r270 top (schematic designator R6)
R7 "10K" "RES 2010 (5026X08L)" 273.685,107.188 r270 top (schematic designator R6)
R7 "10K" "RES 2010 (5026X08L)" 313.944,107.188 r270 top (schematic designator R6)
R7 "10K" "RES 2010 (5026X08L)" 354.203,107.188 r270 top (schematic designator R6)
R7 "10K" "RES 2010 (5026X08L)" 394.462,107.188 r270 top (schematic designator R6)
R7 "10K" "RES 2010 (5026X08L)" 434.721,107.188 r270 top (schematic designator R6)
R7 "10K" "RES 2010 (5026X08L)" 474.98,107.188 r270 top (schematic designator R6)
R7 "10K" "RES 2010 (5026X08L)" 474.98,167.513 r270 top (schematic designator R6)
R7 "10K" "RES 2010 (5026X08L)" 434.721,167.513 r270 top (schematic designator R6)
R7 "10K" "RES 2010 (5026X08L)" 394.462,167.513 r270 top (schematic designator R6)
R7 "10K" "RES 2010 (5026X08L)" 354.203,167.513 r270 top (schematic designator R6)
R7 "10K" "RES 2010 (5026X08L)" 313.944,167.513 r270 top (schematic designator R6)
R7 "10K" "RES 2010 (5026X08L)" 273.685,167.513 r270 top (schematic designator R6)
R7 "10K" "RES 2010 (5026X08L)" 233.426,167.513 r270 top (schematic designator R6)
R7 "10K" "RES 2010 (5026X08L)" 193.167,167.513 r270 top (schematic designator R6)
R7 "10K" "RES 2010 (5026X08L)" 152.908,167.513 r270 top (schematic designator R6)
R7 "10K" "RES 2010 (5026X08L)" 112.649,167.513 r270 top (schematic designator R6)
R7 "10K" "RES 2010 (5026X08L)" 474.98,227.838 r270 top (schematic designator R6)
R7 "10K" "RES 2010 (5026X08L)" 434.721,227.838 r270 top (schematic designator R6)
R7 "10K" "RES 2010 (5026X08L)" 394.462,227.838 r270 top (schematic designator R6)
R7 "10K" "RES 2010 (5026X08L)" 354.203,227.838 r270 top (schematic designator R6)
R7 "10K" "RES 2010 (5026X08L)" 313.944,227.838 r270 top (schematic designator R6)
R7 "10K" "RES 2010 (5026X08L)" 273.685,227.838 r270 top (schematic designator R6)
R7 "10K" "RES 2010 (5026X08L)" 233.426,227.838 r270 top (schematic designator R6)
R7 "10K" "RES 2010 (5026X08L)" 193.167,227.838 r270 top (schematic designator R6)
R7 "10K" "RES 2010 (5026X08L)" 152.908,227.838 r270 top (schematic designator R6)
R7 "10K" "RES 2010 (5026X08L)" 112.649,227.838 r270 top (schematic designator R6)
R8 "10K" "RES 2010 (5026X08L)" 112.776,27.432 r270 top (schematic designator R12)
R8 "10K" "RES 2010 (5026X08L)" 153.035,27.432 r270 top (schematic designator R12)
R8 "10K" "RES 2010 (5026X08L)" 193.294,27.432 r270 top (schematic designator R12)
R8 "10K" "RES 2010 (5026X08L)" 233.553,27.432 r270 top (schematic designator R12)
R8 "10K" "RES 2010 (5026X08L)" 273.812,27.432 r270 top (schematic designator R12)
R8 "10K" "RES 2010 (5026X08L)" 314.071,27.432 r270 top (schematic designator R12)
R8 "10K" "RES 2010 (5026X08L)" 354.33,27.432 r270 top (schematic designator R12)
R8 "10K" "RES 2010 (5026X08L)" 394.589,27.432 r270 top (schematic designator R12)
R8 "10K" "RES 2010 (5026X08L)" 434.848,27.432 r270 top (schematic designator R12)
R8 "10K" "RES 2010 (5026X08L)" 475.107,27.432 r270 top (schematic designator R12)
R8 "10K" "RES 2010 (5026X08L)" 112.776,87.757 r270 top (schematic designator R12)
R8 "10K" "RES 2010 (5026X08L)" 153.035,87.757 r270 top (schematic designator R12)
R8 "10K" "RES 2010 (5026X08L)" 193.294,87.757 r270 top (schematic designator R12)
R8 "10K" "RES 2010 (5026X08L)" 233.553,87.757 r270 top (schematic designator R12)
R8 "10K" "RES 2010 (5026X08L)" 273.812,87.757 r270 top (schematic designator R12)
R8 "10K" "RES 2010 (5026X08L)" 314.071,87.757 r270 top (schematic designator R12)
R8 "10K" "RES 2010 (5026X08L)" 354.33,87.757 r270 top (schematic designator R12)
R8 "10K" "RES 2010 (5026X08L)" 394.589,87.757 r270 top (schematic designator R12)
R8 "10K" "RES 2010 (5026X08L)" 434.848,87.757 r270 top (schematic designator R12)
R8 "10K" "RES 2010 (5026X08L)" 475.107,87.757 r270 top (schematic designator R12)
R8 "10K" "RES 2010 (5026X08L)" 475.107,148.082 r270 top (schematic designator R12)
R8 "10K" "RES 2010 (5026X08L)" 434.848,148.082 r270 top (schematic designator R12)
R8 "10K" "RES 2010 (5026X08L)" 394.589,148.082 r270 top (schematic designator R12)